# KiCad board PMK_Keyboard_HW01.kicad_pcb
title: PMK_01_Sofle; date: 2024-02-14; rev: HW01
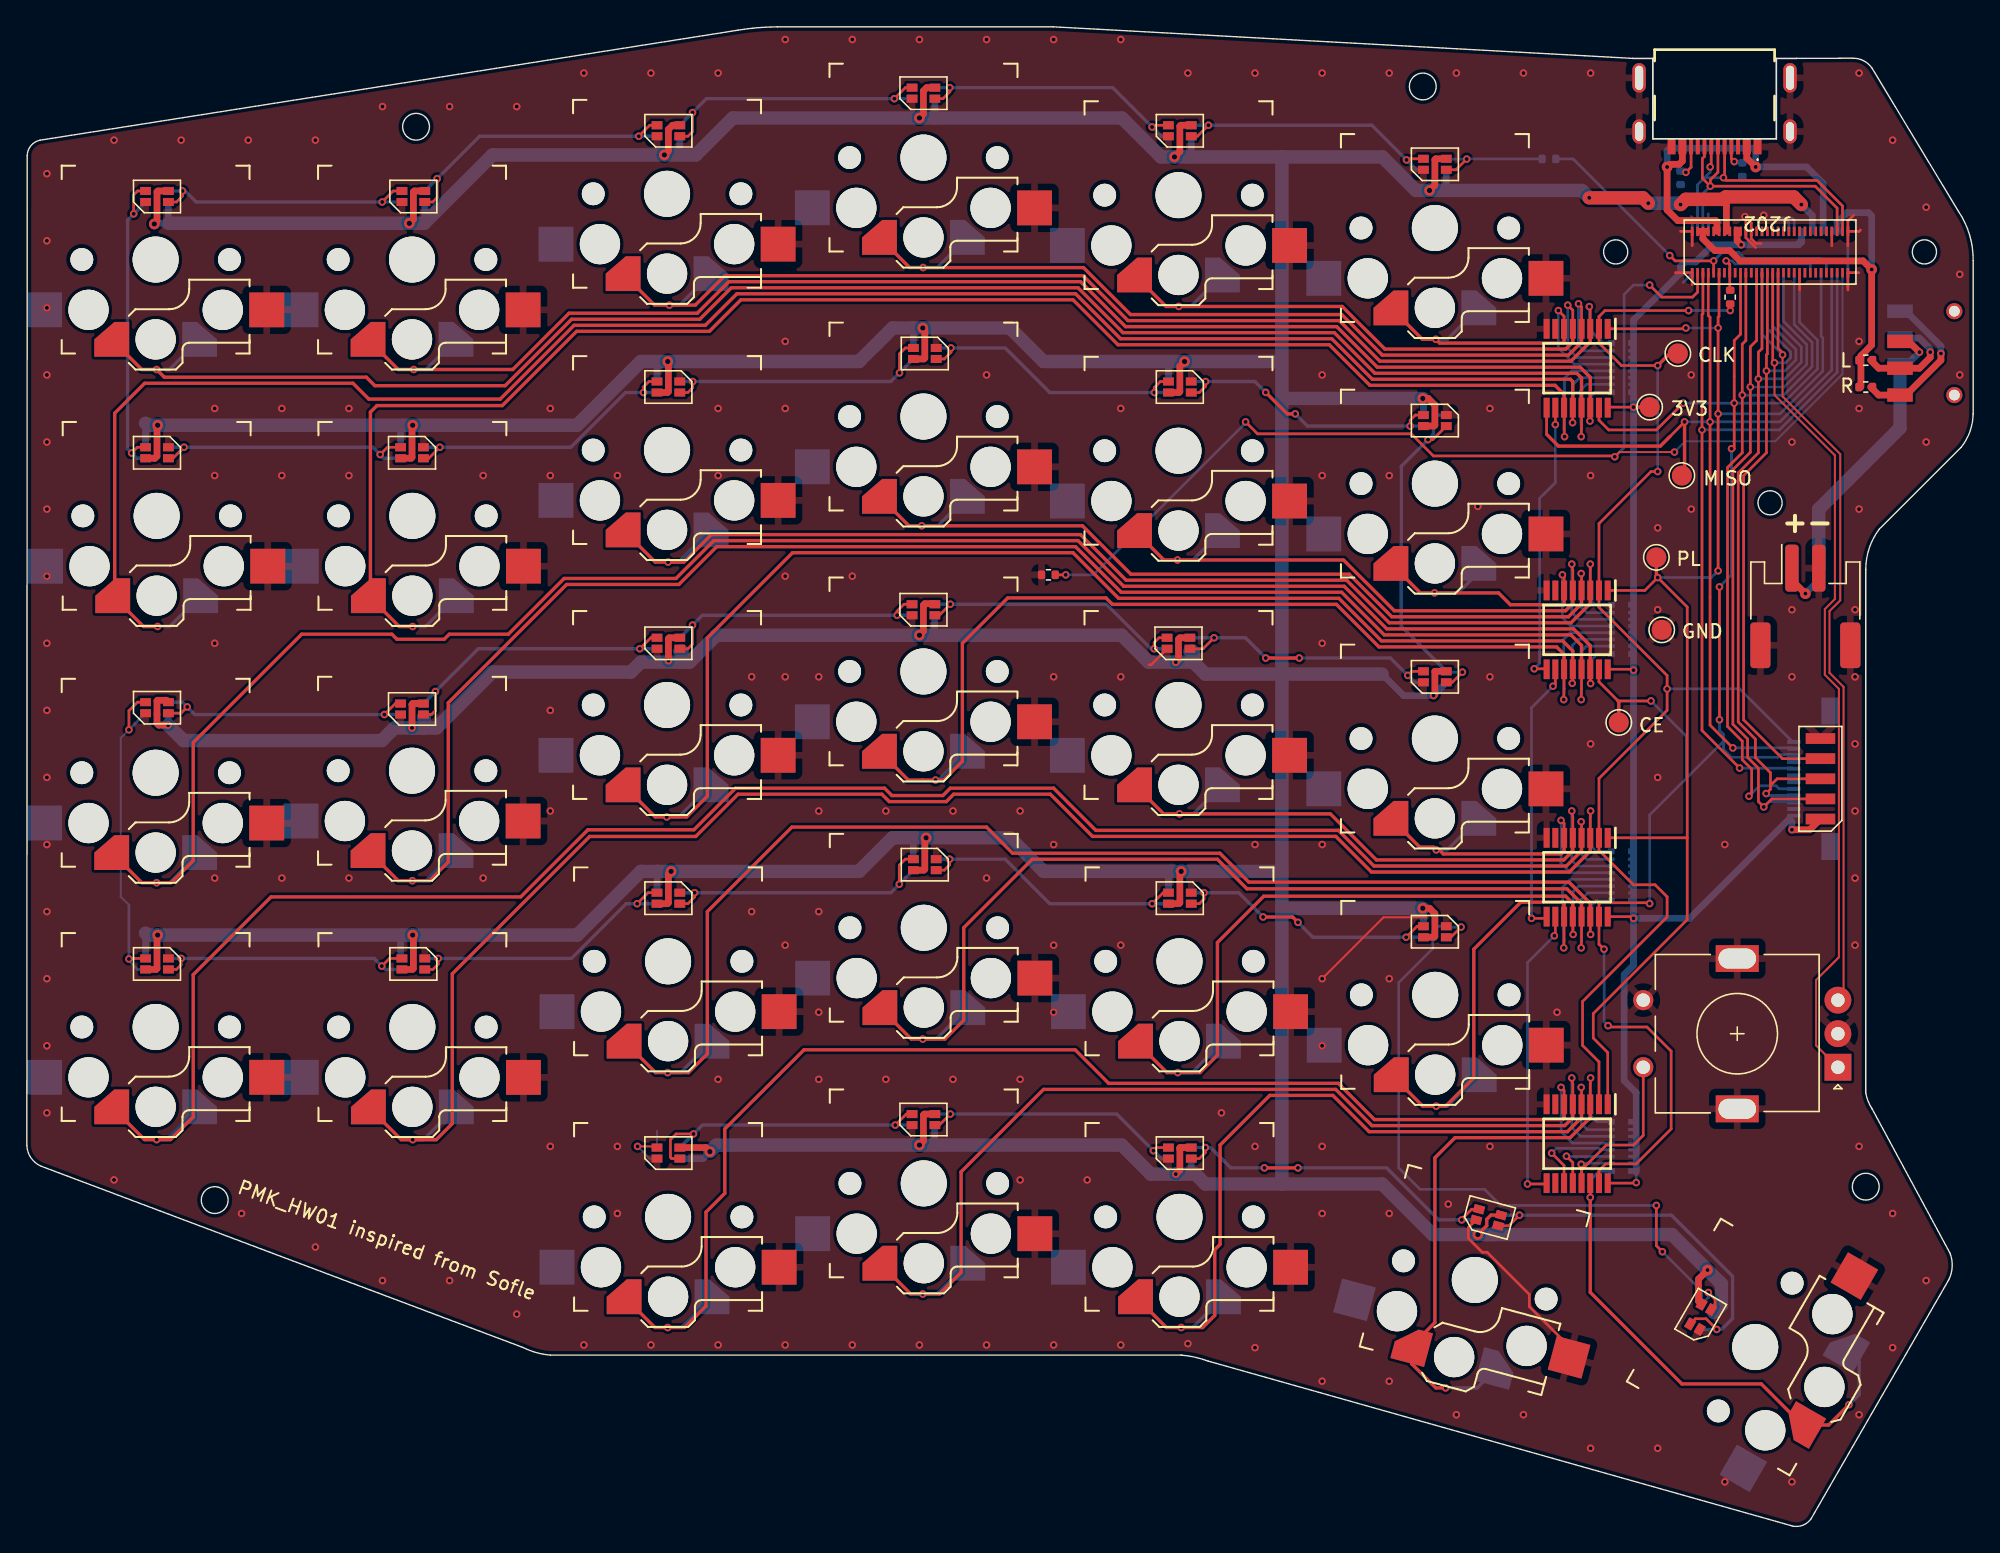
[diagram p0: board, top side]
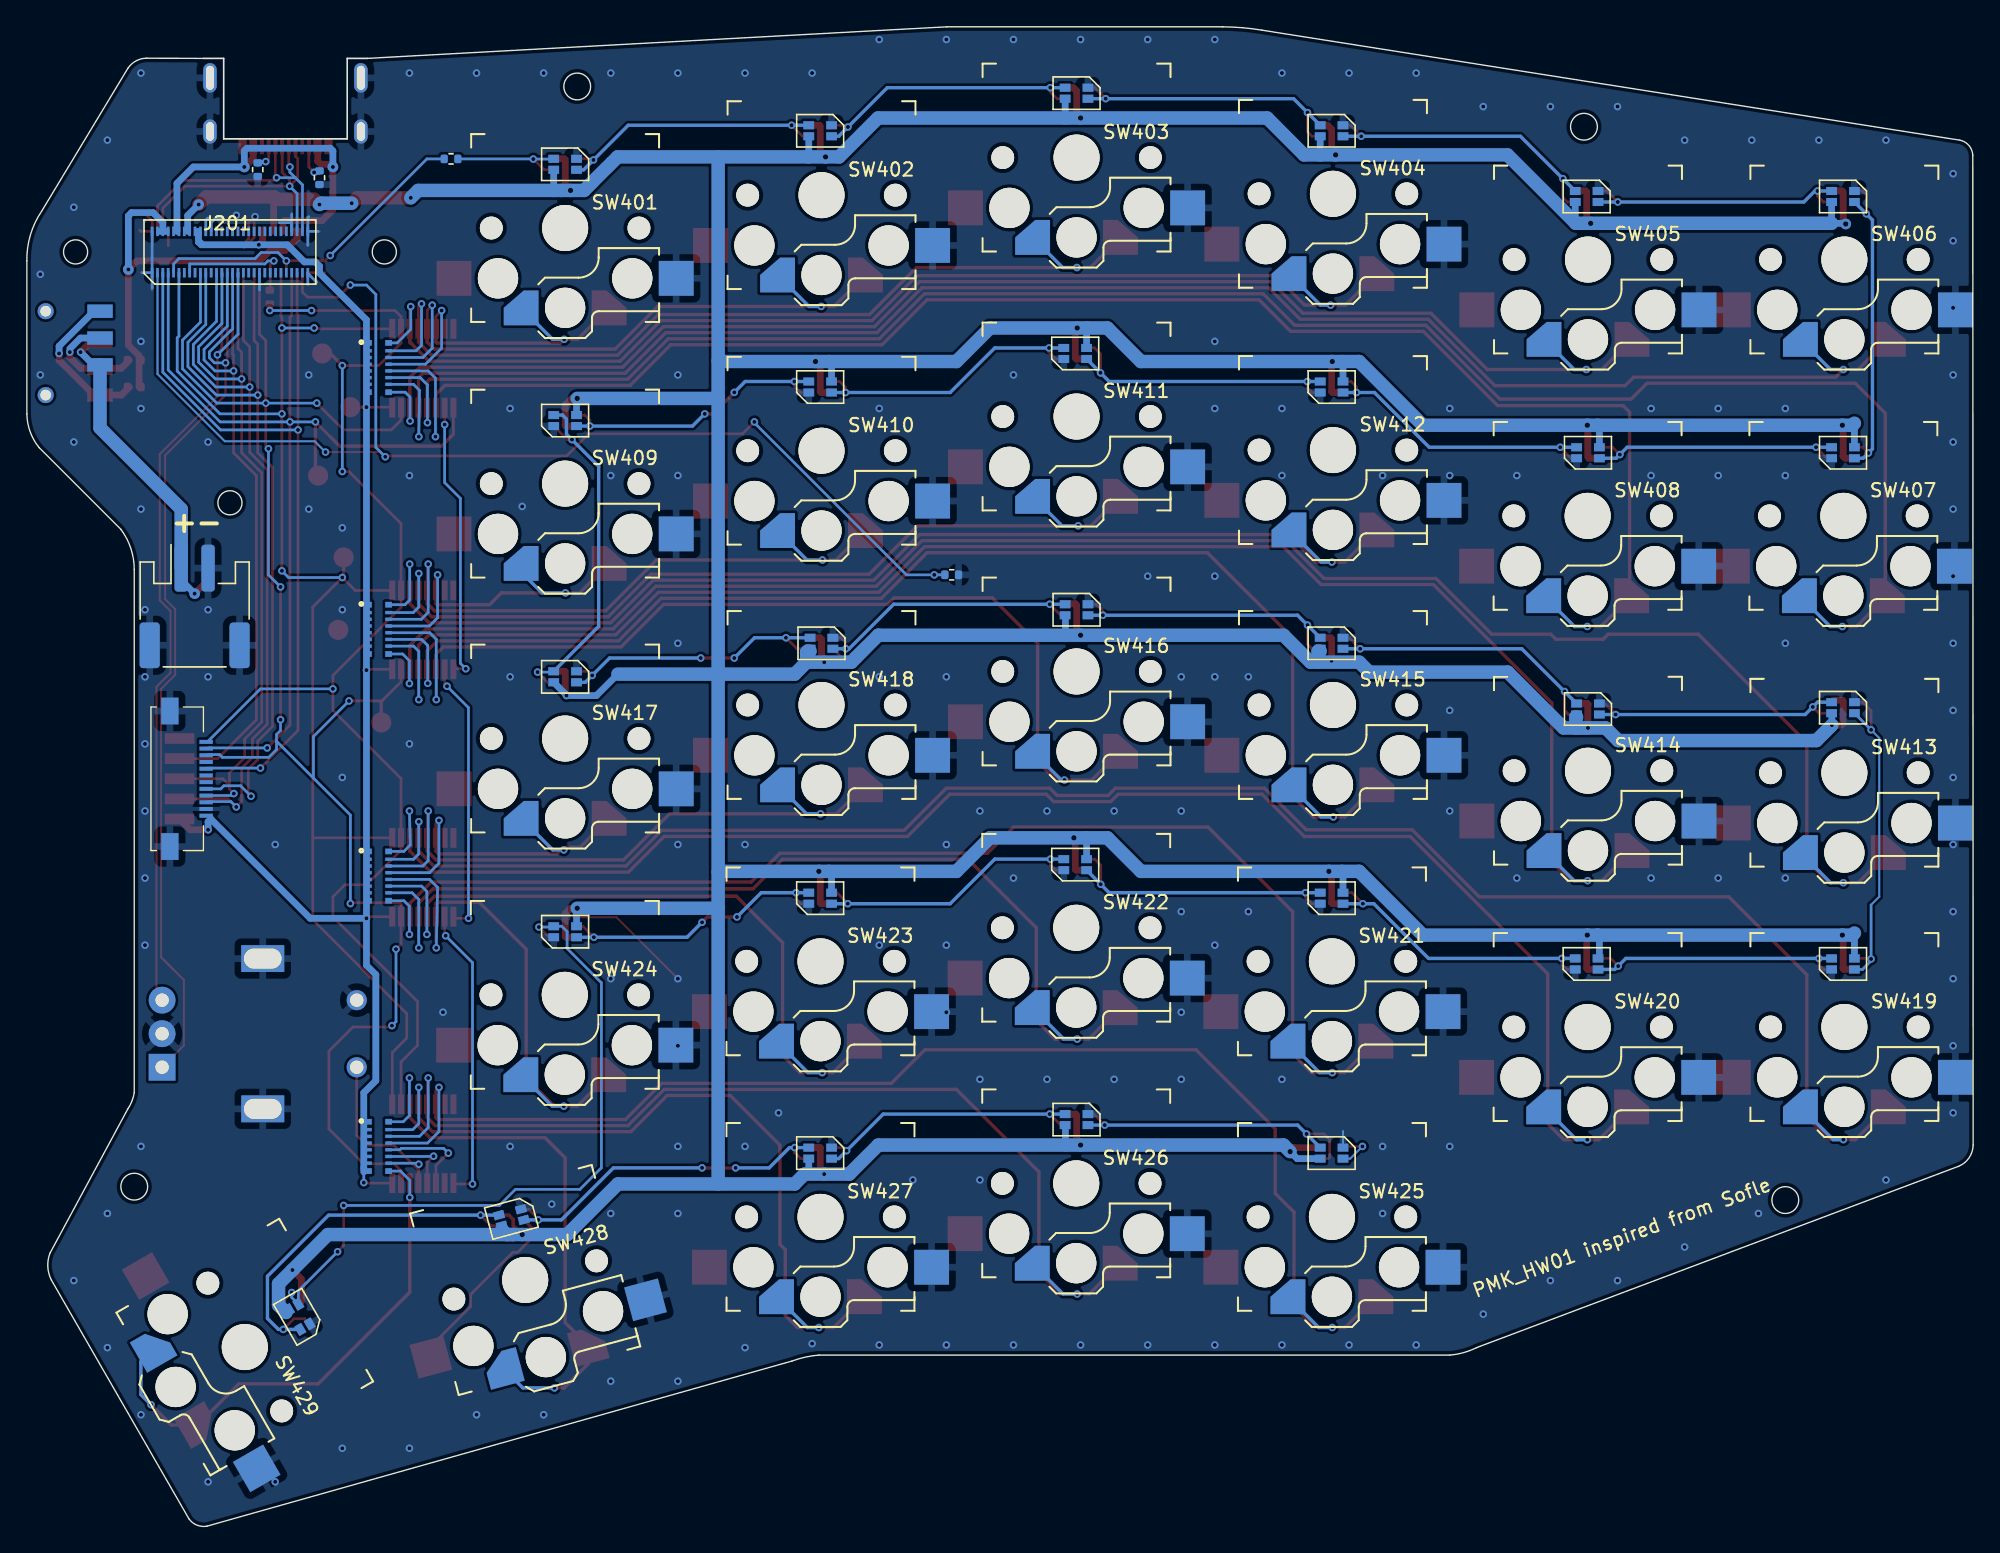
[diagram p1: board, bottom side, seen from below]

Outline 144.99 x 111.75 mm; copper layers: Top, Bottom. Coordinates in mm from the lower left corner of the outline.
Outline path: circle c13.99,24.3 r1 ; circle c28.99,104.3 r1 ; circle c103.99,107.3 r1 ; circle c118.36,94.97 r0.9 ; circle c129.86,76.27 r0.9 ; circle c136.99,25.3 r1 ; circle c141.36,94.97 r0.9 ; 119.63,109.4 76.47,111.75 55.89,111.75 arc(54.44,111.68) 52.99,111.5 0.99,103.3 arc(0.31,102.9) 0.03,102.17 0,28.4 arc(0.31,27.45) 1.08,26.82 36.99,13.3 arc(37.97,12.93) 38.99,12.75 85.99,12.75 arc(87.01,12.6) 87.99,12.3 131.57,0 arc(132.33,0.08) 132.92,0.55 143.17,18.35 arc(143.43,19.34) 143.27,20.35 137.47,31.1 arc(137.17,31.68) 136.99,32.3 136.99,71.3 arc(137.25,72.89) 137.99,74.3 144.09,80.4 arc(144.75,81.58) 144.99,82.9 144.99,94.3 arc(144.73,96.24) 143.89,98 137.46,108.67 arc(136.85,109.22) 136.04,109.41 131.83,109.4
Stack: Top 0.035mm / dielectric 1.51mm FR4 er 4.5 / Bottom 0.035mm

## Placement (name value [footprint] x y rotation side)
D501  YF923_2020_WS2812_LED  [YF923_2020_WS2812_LED_DUALSIDE]  104.89 101.5 0 top
D502  YF923_2020_WS2812_LED  [YF923_2020_WS2812_LED_DUALSIDE]  85.89 104 0 top
D503  YF923_2020_WS2812_LED  [YF923_2020_WS2812_LED_DUALSIDE]  66.79 106.8 0 top
D504  YF923_2020_WS2812_LED  [YF923_2020_WS2812_LED_DUALSIDE]  47.79 104 0 top
D505  YF923_2020_WS2812_LED  [YF923_2020_WS2812_LED_DUALSIDE]  28.79 99.1 0 top
D506  YF923_2020_WS2812_LED  [YF923_2020_WS2812_LED_DUALSIDE]  9.69 99.1 0 top
D507  YF923_2020_WS2812_LED  [YF923_2020_WS2812_LED_DUALSIDE]  9.69 80 180 top
D508  YF923_2020_WS2812_LED  [YF923_2020_WS2812_LED_DUALSIDE]  28.69 80 180 top
D509  YF923_2020_WS2812_LED  [YF923_2020_WS2812_LED_DUALSIDE]  47.79 84.9 180 top
D510  YF923_2020_WS2812_LED  [YF923_2020_WS2812_LED_DUALSIDE]  66.89 87.4 180 top
D511  YF923_2020_WS2812_LED  [YF923_2020_WS2812_LED_DUALSIDE]  85.89 84.9 180 top
D512  YF923_2020_WS2812_LED  [YF923_2020_WS2812_LED_DUALSIDE]  104.89 82.4 180 top
D513  YF923_2020_WS2812_LED  [YF923_2020_WS2812_LED_DUALSIDE]  104.89 63.3 0 top
D514  YF923_2020_WS2812_LED  [YF923_2020_WS2812_LED_DUALSIDE]  85.79 65.8 0 top
D515  YF923_2020_WS2812_LED  [YF923_2020_WS2812_LED_DUALSIDE]  66.79 68.3 0 top
D516  YF923_2020_WS2812_LED  [YF923_2020_WS2812_LED_DUALSIDE]  47.79 65.8 0 top
D517  YF923_2020_WS2812_LED  [YF923_2020_WS2812_LED_DUALSIDE]  28.69 60.9 0 top
D518  YF923_2020_WS2812_LED  [YF923_2020_WS2812_LED_DUALSIDE]  9.69 61 0 top
D519  YF923_2020_WS2812_LED  [YF923_2020_WS2812_LED_DUALSIDE]  9.69 41.9 180 top
D520  YF923_2020_WS2812_LED  [YF923_2020_WS2812_LED_DUALSIDE]  28.79 41.9 180 top
D521  YF923_2020_WS2812_LED  [YF923_2020_WS2812_LED_DUALSIDE]  47.79 46.8 180 top
D522  YF923_2020_WS2812_LED  [YF923_2020_WS2812_LED_DUALSIDE]  66.89 49.3 180 top
D523  YF923_2020_WS2812_LED  [YF923_2020_WS2812_LED_DUALSIDE]  85.89 46.8 180 top
D524  YF923_2020_WS2812_LED  [YF923_2020_WS2812_LED_DUALSIDE]  104.89 44.3 180 top
D525  YF923_2020_WS2812_LED  [YF923_2020_WS2812_LED_DUALSIDE#2]  124.69 15.6 60 top
D526  YF923_2020_WS2812_LED  [YF923_2020_WS2812_LED_DUALSIDE]  108.89 23 345 top
D527  YF923_2020_WS2812_LED  [YF923_2020_WS2812_LED_DUALSIDE]  85.89 27.8 0 top
D528  YF923_2020_WS2812_LED  [YF923_2020_WS2812_LED_DUALSIDE]  66.79 30.3 0 top
D529  YF923_2020_WS2812_LED  [YF923_2020_WS2812_LED_DUALSIDE]  47.79 27.8 0 top
J201  PSoM_ESP32S2_Carrier_Board  [PSoM_ESP32S2_00]  129.86 94.97 0 bottom
J202  PSoM_ESP32S2_Carrier_Board  [PSoM_ESP32S2_00]  129.86 94.97 180 top
J303  USB4510-03-1-A  [USB4510031A]  125.73 106.8 180 top
J304  Conn_01x05_Pin  [SMD_CONN_01x5_1.5mm]  133.62 55.7 90 top
J305  505110-1292  [5051101292]  134.09 55.7 270 bottom
J306  S2B-PH-SM4-TB  [JST_PH_S2B-PH-SM4-TB_1x02-1MP_P2.00mm_Horizontal_DUALSIDE]  132.49 68.55 180 bottom
R201  R  [R_0402_1005Metric]  113.39 101.9 180 bottom
R202  R  [R_0402_1005Metric]  126.89 91.6 270 top
R303  5.1k  [R_0402_1005Metric]  123.19 100.5 270 bottom
R304  5.1k  [R_0402_1005Metric]  127.79 101.1 270 bottom
R305  0  [R_0402_1005Metric]  136.99 84.9 180 top
R306  0  [R_0402_1005Metric]  136.99 86.9 180 top
RN401  EXB-2HV103JV  [EXB2HV_1]  118.79 86.35 270 bottom
RN402  EXB-2HV103JV  [EXB2HV_1]  118.79 66.84 270 bottom
RN403  EXB-2HV103JV  [EXB2HV_1]  118.79 48.45 270 bottom
RN404  EXB-2HV103JV  [EXB2HV_1]  118.79 28.3 270 bottom
SW301  450405020524  [450405020524_DUALSIDE]  140.49 84.3 90 top
SW401  SW_Push  [Kailh_socket_PG1350_reversible]  104.89 96.75 0 top
SW402  SW_Push  [Kailh_socket_PG1350_reversible]  85.79 99.2 0 top
SW403  SW_Push  [Kailh_socket_PG1350_reversible]  66.79 102 0 top
SW404  SW_Push  [Kailh_socket_PG1350_reversible]  47.69 99.3 0 top
SW405  SW_Push  [Kailh_socket_PG1350_reversible]  28.69 94.4 0 top
SW406  SW_Push  [Kailh_socket_PG1350_reversible]  9.59 94.4 0 top
SW407  SW_Push  [Kailh_socket_PG1350_reversible]  9.67 75.3 0 top
SW408  SW_Push  [Kailh_socket_PG1350_reversible]  28.72 75.3 0 top
SW409  SW_Push  [Kailh_socket_PG1350_reversible]  104.89 77.7 0 top
SW410  SW_Push  [Kailh_socket_PG1350_reversible]  85.79 80.15 0 top
SW411  SW_Push  [Kailh_socket_PG1350_reversible]  66.79 82.7 0 top
SW412  SW_Push  [Kailh_socket_PG1350_reversible]  47.69 80.2 0 top
SW413  SW_Push  [Kailh_socket_PG1350_reversible]  9.59 56.15 0 top
SW414  SW_Push  [Kailh_socket_PG1350_reversible]  28.69 56.3 0 top
SW415  SW_Push  [Kailh_socket_PG1350_reversible]  47.69 61.2 0 top
SW416  SW_Push  [Kailh_socket_PG1350_reversible]  66.79 63.7 0 top
SW417  SW_Push  [Kailh_socket_PG1350_reversible]  104.89 58.7 0 top
SW418  SW_Push  [Kailh_socket_PG1350_reversible]  85.79 61.2 0 top
SW419  SW_Push  [Kailh_socket_PG1350_reversible]  9.59 37.2 0 top
SW420  SW_Push  [Kailh_socket_PG1350_reversible]  28.72 37.2 0 top
SW421  SW_Push  [Kailh_socket_PG1350_reversible]  47.77 42.1 0 top
SW422  SW_Push  [Kailh_socket_PG1350_reversible]  66.82 44.6 0 top
SW423  SW_Push  [Kailh_socket_PG1350_reversible]  85.87 42.1 0 top
SW424  SW_Push  [Kailh_socket_PG1350_reversible]  104.92 39.6 0 top
SW425  SW_Push  [Kailh_socket_PG1350_reversible]  47.77 23.05 0 top
SW426  SW_Push  [Kailh_socket_PG1350_reversible]  66.82 25.55 0 top
SW427  SW_Push  [Kailh_socket_PG1350_reversible]  85.87 23.05 0 top
SW428  SW_Push  [Kailh_socket_PG1350_reversible]  107.87 18.35 345 top
SW429  SW_Push  [Kailh_socket_PG1350_reversible]  128.76 13.35 60 top
SW430  -  [RIC11-22S10D5S-TH]  134.92 34.1 180 top
TH201  Thermistor_NTC  [R_0402_1005Metric]  76.1 70.9 180 top
TH202  Thermistor_NTC  [R_0402_1005Metric]  76.09 70.9 180 bottom
TP201  TestPoint  [TestPoint_Pad_D1.5mm]  120.89 83.4 0 top
TP202  TestPoint  [TestPoint_Pad_D1.5mm]  121.39 72.2 0 top
TP203  TestPoint  [TestPoint_Pad_D1.5mm]  118.59 59.9 0 top
TP204  TestPoint  [TestPoint_Pad_D1.5mm]  122.99 87.4 0 top
TP205  TestPoint  [TestPoint_Pad_D1.5mm]  123.29 78.3 0 top
TP206  TestPoint  [TestPoint_Pad_D1.5mm]  121.79 66.8 0 top
U401  SN74HC165PWR  [SOP65P640X120-16N]  115.49 86.3 270 top
U402  SN74HC165PWR  [SOP65P640X120-16N]  115.49 66.8 270 top
U403  SN74HC165PWR  [SOP65P640X120-16N]  115.49 48.37 270 top
U404  SN74HC165PWR  [SOP65P640X120-16N]  115.49 28.5 270 top

## Library data of the parts
D501-D529 = -: Description: 2020 RGB LED 4-Pin with integrated IC
J201 J202 = -: Description: Receptacle PSoM Carrier board
J303 = -: Description: USB Connectors USB C Rec 16P 3u" Mid Mnt 1.6mm O-set SMT L = 6.5mm S-Spring; Height: 3.36; Manufacturer_Name: GCT (GLOBAL CONNECTOR TECHNOLOGY); Mouser Part Number: 640-USB4510031A; Mouser Price/Stock: https://www.mouser.co.uk/ProductDetail/GCT/USB4510-03-1-A?qs=7D1LtPJG0i3iod3O3OZ7LA%3D%3D
J304 = -: Description: Generic connector, single row, 01x05, script generated
J305 = -: Description: Molex Easy-On Series 0.5mm Pitch 12 Way Right Angle SMT Male FPC Connector, ZIF Bottom Contact; Height: 3.95; Manufacturer_Name: Molex; Mouser Part Number: 538-505110-1292; Mouser Price/Stock: https://www.mouser.co.uk/ProductDetail/Molex/505110-1292?qs=BA62vJVifGptACMEATLLfQ%3D%3D
J306 = -: Description: Generic connectable mounting pin connector, single row, 01x01, script generated (kicad-library-utils/schlib/autogen/connector/)
R201 R202 R303-R306 = -: Description: Resistor
RN401-RN404 = -: Description: Resistor Networks & Arrays 10K OHM 5%; Manufacturer_Name: Panasonic; Mouser Part Number: 667-EXB-2HV103JV; Mouser Price/Stock: https://www.mouser.co.uk/ProductDetail/Panasonic/EXB-2HV103JV?qs=oE3VwAv%2FYtnxG1PkyhflFQ%3D%3D
SW301 = -: Description: Switch, dual pole double throw, separate symbols
SW401-SW429 = -: Description: Push button switch, generic, two pins
SW430 = -: Description: Rotary encoder, dual channel, incremental quadrate outputs, with switch
TH201 TH202 = -: Description: Temperature dependent resistor, negative temperature coefficient
TP201-TP206 = -: Description: test point
U401-U404 = -: Description: 8-BIT PARALLEL-LOAD SHIFT REGISTERS; Height: 1.2; Manufacturer_Name: Texas Instruments; Mouser Part Number: 595-SN74HC165PWR; Mouser Price/Stock: https://www.mouser.co.uk/ProductDetail/Texas-Instruments/SN74HC165PWR?qs=6aLkNDRfRUZJuqbBwGFbQw%3D%3D

## Footprints (pads in the part's own frame, mm; a bottom-side part is the same pattern mirrored in y, then rotated)
5051101292
  rect 0.3x1 smd: 1(-2.75,2.455) 2(-2.25,2.455) 3(-1.75,2.455) 4(-1.25,2.455) 5(-0.75,2.455) 6(-0.25,2.455) 7(0.25,2.455) 8(0.75,2.455) 9(1.25,2.455) 10(1.75,2.455) 11(2.25,2.455) 12(2.75,2.455)
  rect 2x1.3 smd: MP1(-5.05,-0.245) MP2(5.05,-0.245)
450405020524_DUALSIDE
  rect 1x1.9 smd: 1(0,0.95) 2(2,0.95) 3(4,0.95)
  rect 1x1.9 smd far side: 1(6.25,0.95) 2(4.25,0.95) 3(2.25,0.95)
  round 1.2 hole 0.8: MH(0,-3.1) MH(6.25,-3.1)
EXB2HV_1
  rect 0.425x0.5 smd: 1(-1.837,-0.75) 8(1.837,-0.75) 9(1.837,0.75) 16(-1.837,0.75)
  rect 0.25x0.5 smd: 2(-1.25,-0.75) 3(-0.75,-0.75) 4(-0.25,-0.75) 5(0.25,-0.75) 6(0.75,-0.75) 7(1.25,-0.75) 10(1.25,0.75) 11(0.75,0.75) 12(0.25,0.75) 13(-0.25,0.75) 14(-0.75,0.75) 15(-1.25,0.75)
JST_PH_S2B-PH-SM4-TB_1x02-1MP_P2.00mm_Horizontal_DUALSIDE
  rrect 1x3.5 smd: 1(-1,2.85) 2(1,2.85)
  rrect 1x3.5 smd far side: 1(1,2.85) 2(-1,2.85)
  rrect 1.5x3.4 smd far side: MP(-3.35,-2.9) MP(3.35,-2.9)
  rrect 1.5x3.4 smd: MP(-3.35,-2.9) MP(3.35,-2.9)
Kailh_socket_PG1350_reversible
  round 1.702 hole 1.8 unplated: (-5.5,0) (5.5,0)
  round 3 hole 3 unplated: (-5,-3.75) (0,-5.95) (5,-3.75)
  round 3.429 hole 3.429 unplated: (0,0)
  custom 2.601x2.601 smd: 1(-3.275,-5.95)
  custom 2.601x2.601 smd far side: 1(3.275,-5.95)
  rect 2.6x2.6 smd far side: 2(-8.275,-3.75)
  rect 2.6x2.6 smd: 2(8.275,-3.75)
PSoM_ESP32S2_00
  rect 0.2x0.7 smd: 1(5.8,1.55) 2(5.8,-1.53) 3(5.4,1.55) 4(5.4,-1.53) 5(5,1.55) 6(5,-1.53) 7(4.6,1.55) 8(4.6,-1.53) 9(4.2,1.55) 10(4.2,-1.53) 11(3.8,1.55) 12(3.8,-1.53) 13(3.4,1.55) 14(3.4,-1.53) 15(3,1.55) 16(3,-1.53) 17(2.6,1.55) 18(2.6,-1.53) 19(2.2,1.55) 20(2.2,-1.53) 21(1.8,1.55) 22(1.8,-1.53) 23(1.4,1.55) 24(1.4,-1.53) 25(1,1.55) 26(1,-1.53) 27(0.6,1.55) 28(0.6,-1.53) 29(0.2,1.55) 30(0.2,-1.53) 31(-0.2,1.55) 32(-0.2,-1.53) 33(-0.6,1.55) 34(-0.6,-1.53) 35(-1,1.55) 36(-1,-1.53) 37(-1.4,1.55) 38(-1.4,-1.53) 39(-1.8,1.55) 40(-1.8,-1.53) 41(-2.2,1.55) 42(-2.2,-1.53) 43(-2.6,1.55) 44(-2.6,-1.53) 45(-3,1.55) 46(-3,-1.53) 47(-3.4,1.55) 48(-3.4,-1.53) 49(-3.8,1.55) 50(-3.8,-1.53) 51(-4.2,1.55) 52(-4.2,-1.53) 53(-4.6,1.55) 54(-4.6,-1.53) 55(-5,1.55) 56(-5,-1.53) 57(-5.4,1.55) 58(-5.4,-1.53) 59(-5.8,1.55) 60(-5.8,-1.53)
R_0402_1005Metric
  rrect 0.54x0.64 smd: 1(-0.51,0) 2(0.51,0)
RIC11-22S10D5S-TH
  rect 2x2 hole 1: A(0,-0.1)
  round 2 hole 1: B(0,-5.1) C(0,-2.6)
  rect 3.2x2 hole 2.8x1.5: MP(7.5,3) MP(7.5,-8.2)
  round 1.5 hole 1: S1(14.5,-5.1) S2(14.5,-0.1)
SMD_CONN_01x5_1.5mm
  rect 0.8x2.2 smd: 1(-3,0) 2(-1.5,0) 3(0,0) 4(1.5,0) 5(3,0)
SOP65P640X120-16N
  rect 1.475x0.45 smd: 1(-2.938,2.275) 2(-2.938,1.625) 3(-2.938,0.975) 4(-2.938,0.325) 5(-2.938,-0.325) 6(-2.938,-0.975) 7(-2.938,-1.625) 8(-2.938,-2.275) 9(2.938,-2.275) 10(2.938,-1.625) 11(2.938,-0.975) 12(2.938,-0.325) 13(2.938,0.325) 14(2.938,0.975) 15(2.938,1.625) 16(2.938,2.275)
TestPoint_Pad_D1.5mm
  round 1.5 smd: 1(0,0)
USB4510031A
  rect 0.6x1.1 smd: A1(-3.2,4) A4(-2.4,4) A9(2.4,4) A12(3.2,4)
  rect 0.3x1.1 smd: A5(-1.25,4) A6(-0.25,4) A7(0.25,4) A8(1.25,4) B5(1.75,4) B6(0.75,4) B7(-0.75,4) B8(-1.75,4)
  oval 1x1.8 hole 0.6x1.4: MH1(-5.62,2.85) MH4(5.62,2.85)
  oval 1x2.2 hole 0.6x1.8: MH2(-5.62,-1.15) MH3(5.62,-1.15)
YF923_2020_WS2812_LED_DUALSIDE
  rect 0.8x0.6 smd far side: 1(-0.85,0.41) 2(0.85,-0.41) 3(0.85,0.41) 4(-0.85,-0.41)
  rect 0.8x0.6 smd: 1(-0.85,-0.41) 2(0.85,0.41) 3(0.85,-0.41) 4(-0.85,0.41)
YF923_2020_WS2812_LED_DUALSIDE#2
  rect 0.8x0.6 smd: 1(-0.85,-0.41) 2(0.85,0.41) 3(0.85,-0.41) 4(-0.85,0.41)
  rect 0.8x0.6 smd far side: 1(-0.85,0.41) 2(0.85,-0.41) 3(0.85,0.41) 4(-0.85,-0.41)

## Nets
+3V3: J201.18 J201.20 J202.18 J202.20 J304.1 J305.12 RN401.1 RN401.2 RN401.3 RN401.4 RN401.5 RN401.6 RN401.7 RN401.8 RN402.1 RN402.2 RN402.3 RN402.4 RN402.5 RN402.6 RN402.7 RN402.8 RN403.1 RN403.2 RN403.3 RN403.4 RN403.5 RN403.6 RN403.7 RN403.8 RN404.1 RN404.2 RN404.3 RN404.4 RN404.5 RN404.6 RN404.7 RN404.8 TP201.1 U401.16 U402.16 U403.16 U404.16
/VBAT: J201.4 J201.6 J201.8 J202.4 J202.6 J202.8 R305.2 R306.2
GND: D501.1 D502.1 D503.1 D504.1 D505.1 D506.1 D507.1 D508.1 D509.1 D510.1 D511.1 D512.1 D513.1 D514.1 D515.1 D516.1 D517.1 D518.1 D519.1 D520.1 D521.1 D522.1 D523.1 D524.1 D525.1 D526.1 D527.1 D528.1 D529.1 J201.1 J201.2 J201.22 J201.24 J201.41 J201.54 J201.59 J201.60 J202.1 J202.2 J202.22 J202.24 J202.41 J202.54 J202.59 J202.60 J303.A1 J303.A12 J303.MH1 J303.MH2 J303.MH3 J303.MH4 J304.5 J305.11 J305.MP1 J305.MP2 J306.2 J306.MP R303.2 R304.2 SW401.2 SW402.2 SW403.2 SW404.2 SW405.2 SW406.2 SW407.2 SW408.2 SW409.2 SW410.2 SW411.2 SW412.2 SW413.2 SW414.2 SW415.2 SW416.2 SW417.2 SW418.2 SW419.2 SW420.2 SW421.2 SW422.2 SW423.2 SW424.2 SW425.2 SW426.2 SW427.2 SW428.2 SW429.2 SW430.C SW430.MP SW430.S1 TH201.2 TH202.2 TP206.1 U401.8 U402.8 U403.8 U404.8
VBUS: J201.10 J201.12 J202.10 J202.12 J303.A4 J303.A9
VDD: D501.2 D502.2 D503.2 D504.2 D505.2 D506.2 D507.2 D508.2 D509.2 D510.2 D511.2 D512.2 D513.2 D514.2 D515.2 D516.2 D517.2 D518.2 D519.2 D520.2 D521.2 D522.2 D523.2 D524.2 D525.2 D526.2 D527.2 D528.2 D529.2 J201.14 J201.16 J202.14 J202.16
/200- PSoM/A: J201.31 J202.31 SW430.A
/200- PSoM/B: J201.33 J202.33 SW430.B
/200- PSoM/BATTERY_TEMP: J201.3 J202.3 TH201.1 TH202.1
/200- PSoM/D+: J201.56 J202.56 J303.A6 J303.B6
/200- PSoM/D-: J201.58 J202.58 J303.A7 J303.B7
/200- PSoM/GP_CE: J201.21 J202.21 J305.8
/200- PSoM/INT: J201.29 J202.29 J304.4
/200- PSoM/LED_MOSI: D501.3 R201.2
/200- PSoM/LED_MOSI_ESP: J201.9 J202.9 R201.1
/200- PSoM/PL: J201.11 J202.11 TP202.1 U401.1 U402.1 U403.1 U404.1
/200- PSoM/SCL: J201.27 J202.27 J304.3 J305.9
/200- PSoM/SDA: J201.25 J202.25 J304.2 J305.10
/200- PSoM/SPI_CLK: J305.1 R202.2 TP204.1 U401.2 U402.2 U403.2 U404.2
/200- PSoM/SPI_CLK_ESP: J201.15 J202.15 R202.1
/200- PSoM/SPI_MISO: J201.7 J202.7 J305.2 TP205.1 U401.9
/200- PSoM/SPI_MOSI: J201.5 J202.5 J305.5
/200- PSoM/SR_CE: J201.19 J202.19 J305.3 TP203.1 U401.15 U402.15 U403.15 U404.15
/300- Connectors/BTN2: J305.7
/300- Connectors/BTN3: J305.6
/300- Connectors/CC1: J303.A5 R304.1
/300- Connectors/CC2: J303.B5 R303.1
/300- Connectors/DR: J305.4
/400- Shift Register - Switch/1: RN401.13 SW401.1 U401.6
/400- Shift Register - Switch/1-2: U401.10 U402.9
/400- Shift Register - Switch/2: RN401.14 SW402.1 U401.5
/400- Shift Register - Switch/2-3: U402.10 U403.9
/400- Shift Register - Switch/3: RN401.15 SW403.1 U401.4
/400- Shift Register - Switch/3-4: U403.10 U404.9
/400- Shift Register - Switch/4: RN401.16 SW404.1 U401.3
/400- Shift Register - Switch/5: RN401.9 SW405.1 U401.14
/400- Shift Register - Switch/6: RN401.10 SW406.1 U401.13
/400- Shift Register - Switch/7: RN401.11 SW407.1 U401.12
/400- Shift Register - Switch/8: RN401.12 SW408.1 U401.11
/400- Shift Register - Switch/9: RN402.13 SW409.1 U402.6
/400- Shift Register - Switch/10: RN402.14 SW410.1 U402.5
/400- Shift Register - Switch/11: RN402.15 SW411.1 U402.4
/400- Shift Register - Switch/12: RN402.16 SW412.1 U402.3
/400- Shift Register - Switch/13: RN402.9 SW413.1 U402.14
/400- Shift Register - Switch/14: RN402.10 SW414.1 U402.13
/400- Shift Register - Switch/15: RN402.11 SW415.1 U402.12
/400- Shift Register - Switch/16: RN402.12 SW416.1 U402.11
/400- Shift Register - Switch/17: RN403.13 SW417.1 U403.6
/400- Shift Register - Switch/18: RN403.14 SW418.1 U403.5
/400- Shift Register - Switch/19: RN403.15 SW419.1 U403.4
/400- Shift Register - Switch/20: RN403.16 SW420.1 U403.3
/400- Shift Register - Switch/21: RN403.9 SW421.1 U403.14
/400- Shift Register - Switch/22: RN403.10 SW422.1 U403.13
/400- Shift Register - Switch/23: RN403.11 SW423.1 U403.12
/400- Shift Register - Switch/24: RN403.12 SW424.1 U403.11
/400- Shift Register - Switch/25: RN404.13 SW425.1 U404.6
/400- Shift Register - Switch/26: RN404.14 SW426.1 U404.5
/400- Shift Register - Switch/27: RN404.15 SW427.1 U404.4
/400- Shift Register - Switch/28: RN404.16 SW428.1 U404.3
/400- Shift Register - Switch/29: RN404.9 SW429.1 U404.14
/400- Shift Register - Switch/30: RN404.10 SW430.S2 U404.13
/400- Shift Register - Switch/31: RN404.11 U404.12
/400- Shift Register - Switch/32: RN404.12 U404.11
/500- LEDs/LED_13_14: D513.4 D514.3
/500- LEDs/LED_26_27: D526.4 D527.3
Net-(D501-DO): D501.4 D502.3
Net-(D502-DO): D502.4 D503.3
Net-(D503-DO): D503.4 D504.3
Net-(D504-DO): D504.4 D505.3
Net-(D505-DO): D505.4 D506.3
Net-(D506-DO): D506.4 D507.3
Net-(D507-DO): D507.4 D508.3
Net-(D508-DO): D508.4 D509.3
Net-(D509-DO): D509.4 D510.3
Net-(D510-DO): D510.4 D511.3
Net-(D511-DO): D511.4 D512.3
Net-(D512-DO): D512.4 D513.3
Net-(D514-DO): D514.4 D515.3
Net-(D515-DO): D515.4 D516.3
Net-(D516-DO): D516.4 D517.3
Net-(D517-DO): D517.4 D518.3
Net-(D518-DO): D518.4 D519.3
Net-(D519-DO): D519.4 D520.3
Net-(D520-DO): D520.4 D521.3
Net-(D521-DO): D521.4 D522.3
Net-(D522-DO): D522.4 D523.3
Net-(D523-DO): D523.4 D524.3
Net-(D524-DO): D524.4 D525.3
Net-(D525-DO): D525.4 D526.3
Net-(D527-DO): D527.4 D528.3
Net-(D528-DO): D528.4 D529.3
Net-(J306-Pin_1): J306.1 SW301.3
Net-(SW301-A): R305.1 SW301.1
Net-(SW301-C): R306.1 SW301.2

Pads without a net: D529 4; J201 13 17 23 26 28 30 32 34 35 36 37 38 39 40 42 43 44 45 46 47 48 49 50 51 52 53 55 57; J202 13 17 23 26 28 30 32 34 35 36 37 38 39 40 42 43 44 45 46 47 48 49 50 51 52 53 55 57; J303 A8 B8; SW301 MH; U401 7; U402 7; U403 7; U404 7 10

## Via types
v1: diameter 0.56, hole 0.3, Top to Bottom, 365 vias
v2: diameter 0.8, hole 0.3, Top to Bottom, 9 vias
v3: diameter 0.8, hole 0.4, Top to Bottom, 22 vias
